# Altium PCB MD2084.PcbDoc (part 1 of 4) (continued)
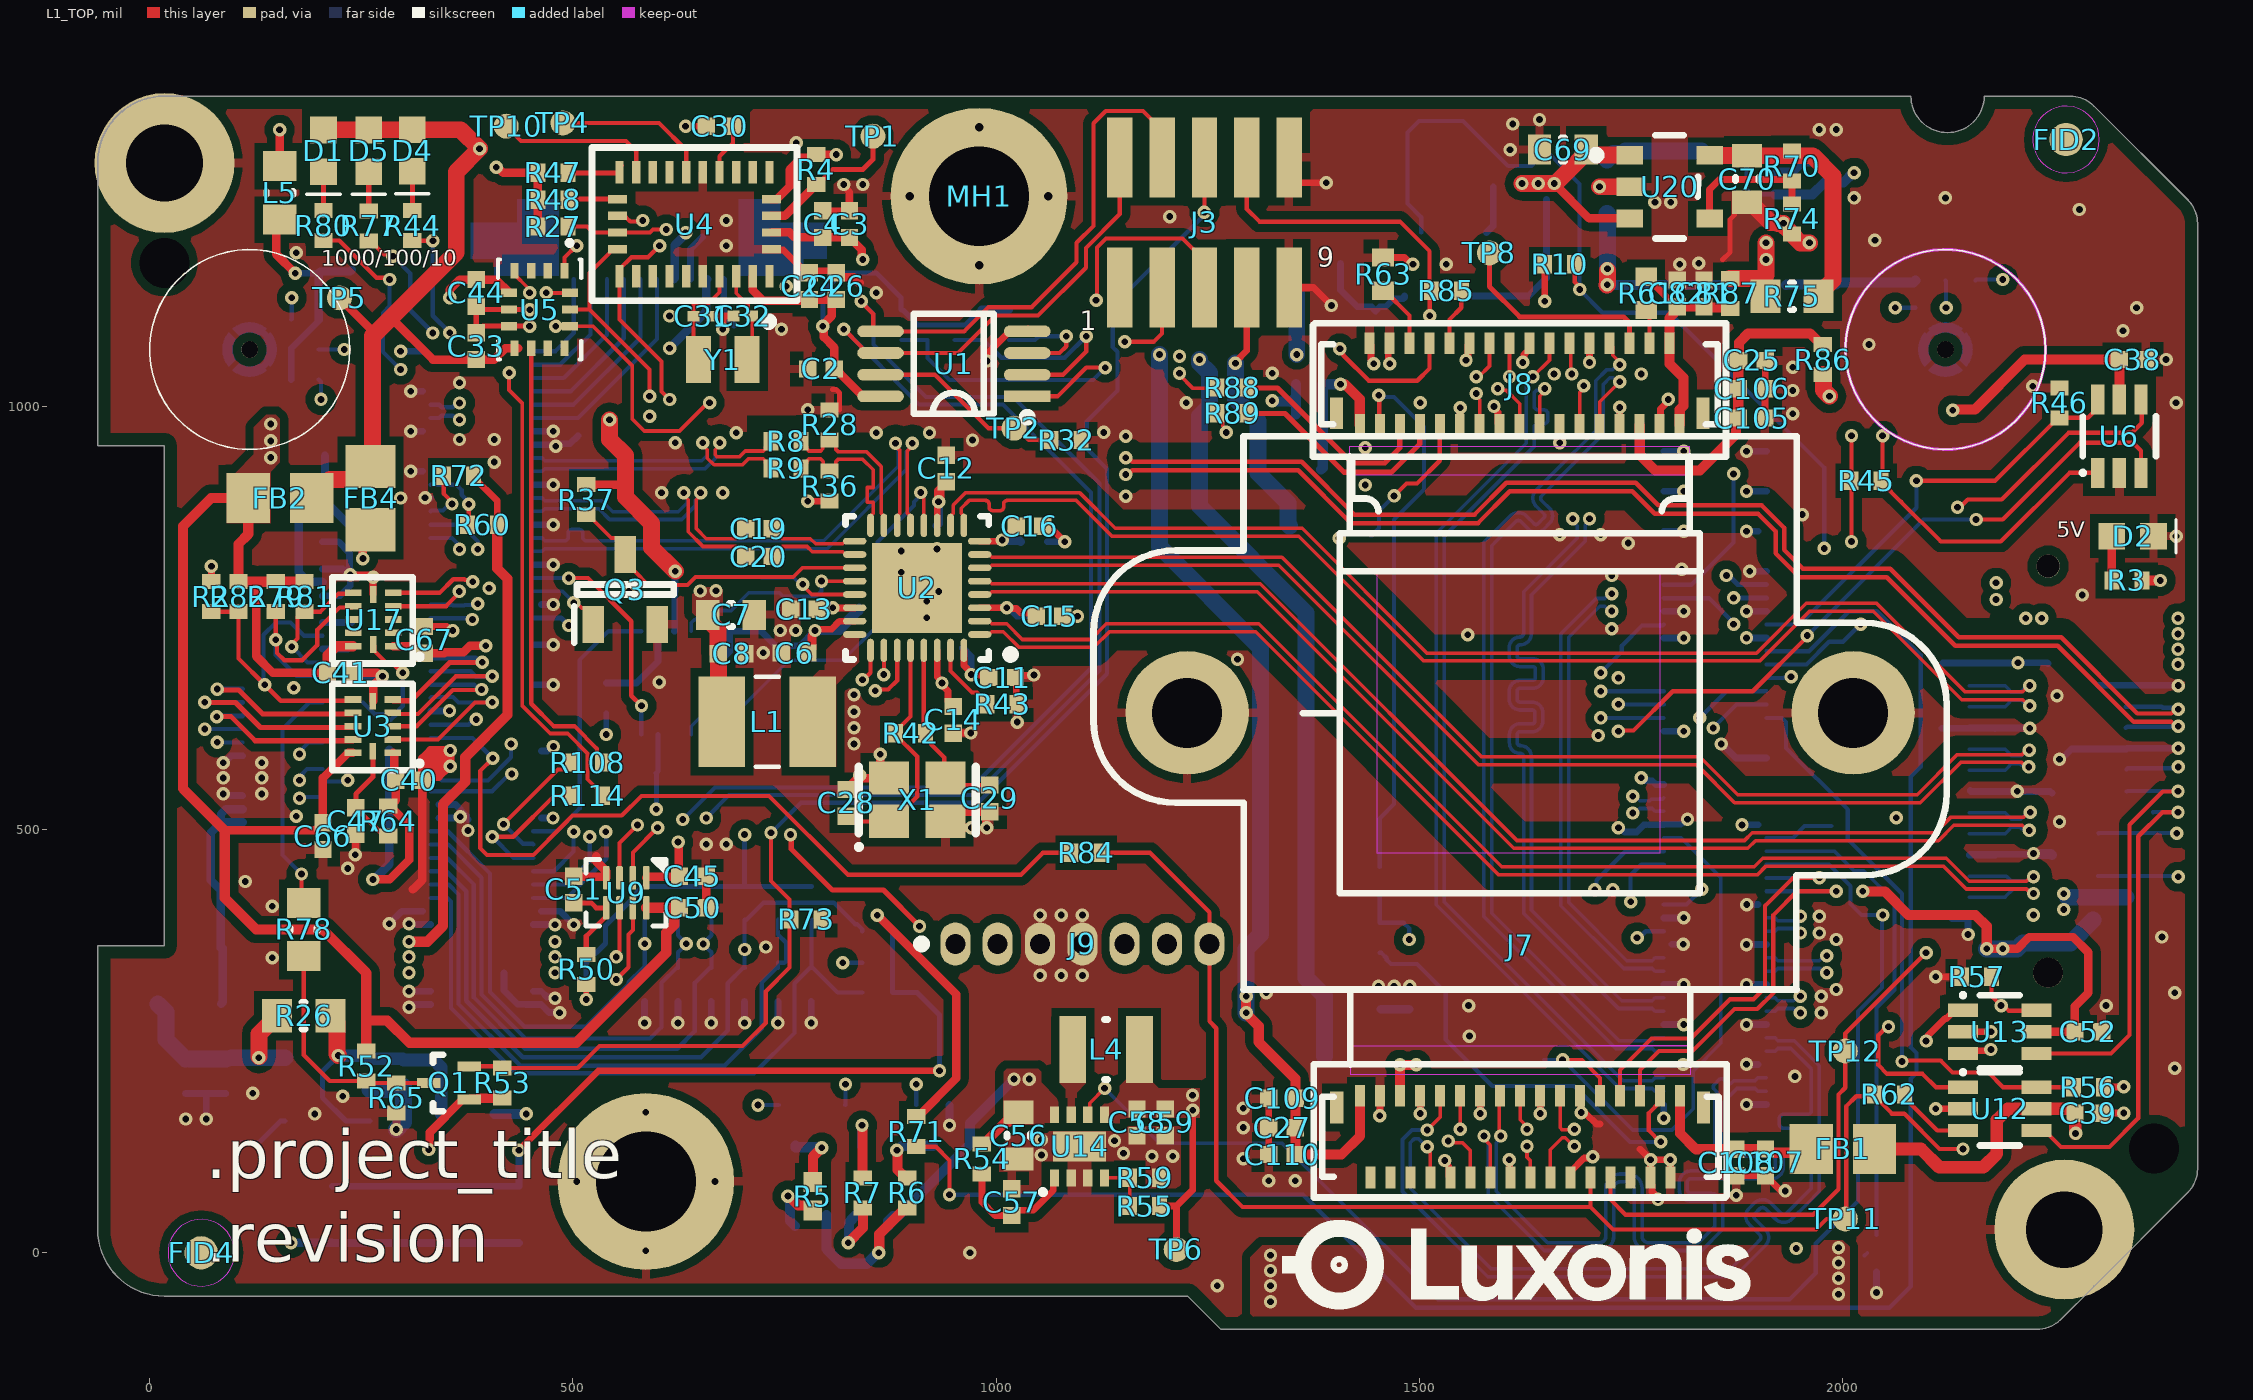
[diagram p0: L1_TOP view]
## Components (designator, comment, footprint, x,y, rotation, side; value= is the part's Value field where it differs from the comment) (continued)
C54 "GRM155R71A104JA01D" CAPC0402(1005)70_L 2035.43,1129.92 r90 bottom value=100nF
C55 "GRM188R61A106ME69D" CAPC0603(1608)100_L 239,1188.62 r270 bottom value=10µF
C56 "10µF" CAPC0603(1608)100_L 1026.61,138.34 r90 top
C57 "10nF" CAPC0402(1005)60_L#1 1018.52,59.82 r270 top
C58 "22µF" CAPC0402(1005)60_L#1 1166.37,154.09 r90 top
C59 "100nF" CAPC0402(1005)70_L 1199.83,154.09 r90 top
C62 "GRM155R71A104JA01D" CAPC0402(1005)70_L 199.76,1172.87 r270 bottom value=100nF
C63 "GRM155R60J106ME15D" CAPC0402(1005)70_N 104.03,409.14 r180 bottom value=10µF
C64 "CL05B104KO5NFNC" CAPC0402(1005)60_N 42.53,211 r270 bottom value=100nF
C65 "C0402C103K5RACTU" CAPC0402(1005)60_L#2 90,130 r0 bottom value=10nF
C66 "CL05B104KO5NFNC" CAPC0402(1005)60_L#1 204.72,492.13 r270 top value=100nF
C67 "CL05B104KO5NFNC" CAPC0402(1005)60_L#1 324.27,724 r270 top value=100nF
C68 "GRM155R61E105KA12D" CAPC0402(1005)70_L 252,665.87 r270 bottom value=1µF
C69 "GRM188R61A106ME69D" CAPC0603(1608)100_L 1669.29,1303.15 r0 top value=10µF
C70 "GRM188R61A106ME69D" CAPC0603(1608)100_L 1886.97,1268.3 r90 top value=10µF
C75 "CL05B104KO5NFNC" CAPC0402(1005)60_N 104,360 r0 bottom value=100nF
C76 "CL05B104KO5NFNC" CAPC0402(1005)60_L#1 222.92,910.69 r180 bottom value=100nF
C79 "GRM155R60J106ME15D" CAPC0402(1005)70_L 1370,990 r0 bottom value=10µF
C80 "CL05B104KO5NFNC" CAPC0402(1005)60_L#1 1370,1026 r0 bottom value=100nF
C81 "GRM155R60J106ME15D" CAPC0402(1005)70_L 1836,1133.32 r270 top value=10µF
C82 "CL05B104KO5NFNC" CAPC0402(1005)60_L#1 1804.54,1133.32 r270 top value=100nF
C83 "GRM155R60J106ME15D" CAPC0402(1005)70_L 1454.03,271.65 r270 bottom value=10µF
C84 "CL05B104KO5NFNC" CAPC0402(1005)60_L#1 1488.19,271.65 r270 bottom value=100nF
C105 "GRM155R60J106ME15D" CAPC0402(1005)70_L 1892.28,986 r180 top value=10µF
C106 "CL05B104KO5NFNC" CAPC0402(1005)60_L#1 1892.28,1020.45 r180 top value=100nF
C107 "GRM155R60J106ME15D" CAPC0402(1005)70_L 1908.77,106.86 r90 top value=10µF
C108 "CL05B104KO5NFNC" CAPC0402(1005)60_L#1 1873.77,106.61 r90 top value=100nF
C109 "GRM155R60J106ME15D" CAPC0402(1005)70_L 1337.65,182.42 r0 top value=10µF
C110 "CL05B104KO5NFNC" CAPC0402(1005)60_L#1 1337.65,116 r0 top value=100nF
D1 "SML-D12M8WT86" SML_D1xx8W 205.32,1301.62 r90 top
D2 "SML-D12U8WT86" SML_D1XX8W 2342.52,846.46 r180 top
D3 "155124M173200" FP-155124M173200-MFG 817.41,12 r180 bottom locked
D4 "SML-D12M8WT86" SML_D1XX8W 310.32,1301.94 r90 top
D5 "SML-D12M8WT86" SML_D1xx8W 258.83,1301.62 r90 top
FB1 "2508056017Y2" 2508056017Y2 2000,122.61 r180 top
FB2 "2508056017Y2" 2508056017Y2 154,891.39 r180 top
FB3 "2508056017Y2" 2508056017Y2 47,294 r0 bottom
FB4 "2508056017Y2" 2508056017Y2 260.96,891.39 r270 top
FB5 "2508056017Y2" 2508056017Y2 1346.46,925.2 r0 bottom
FB6 "2508056017Y2" 2508056017Y2 1362.2,232.28 r0 bottom
FID1 "FIDUCIAL" FIDUCIAL_ROUND_1MM 710,-6 r90 bottom
FID2 "FIDUCIAL" FIDUCIAL_ROUND_1MM 2263.78,1314.96 r90 top
FID3 "FIDUCIAL" FIDUCIAL_ROUND_1MM 2137,-23 r90 bottom
FID4 "FIDUCIAL" FIDUCIAL_ROUND_1MM 61,0 r90 top
J1 "WP7B-S040VA1-R8000_FLIPPED" "WP7B-S040VA1-R8000-Edge mount" 157.01,658 r270 bottom locked
J2 "DF40HC(3.0)-100DS-0.4V_SoM-PRO_A" CON_A_BW2099_SoM_DF40HC-3.0-100DS-0.4V_minpad 1160.16,560.93 r180 bottom locked
J3 "20021121-00010T1LF" 20021121-00010T1LF 1246,1217 r0 top
J4 "DF40HC(3.0)-100DS-0.4V_SoM-PRO_B" CON_B_BW2099_SoM_DF40HC-3.0-100DS-0.4V_minpad 1160.36,560.86 r180 bottom locked
J5 "529010374" CON_529010374 2149.96,396 r90 bottom locked
J6 "SFV10R-2STE1HLF" SFV10R-2STE1HLF 589.92,1169.47 r0 bottom
J7 "IMX462" AC_PY154-IMX462_CON 1618.9,637.8 r0 top locked
J8 "IMX378/IMX582/IMX214/IMX577" PY004 1618.9,637.8 r180 top locked
J9 "SMS-107-01-G-S" SMS-107-01-G-S 1101.81,364.8 r0 top locked
L1 "BRL3225T2R2M" LQH32NH2R2J23L 729.76,627.23 r180 top value=2.2µH
L2 "DFE252012P-1R0M=P2" DFE252012P-1R0M=P2 1488.59,1282.88 r180 bottom value=1µH
L3 "BLM18PG121SN1D" BLM18PG121SN1D_N 1901.57,1143.33 r0 bottom
L4 "1µH" DFE252012P-1R0M=P2 1129.87,240.19 r0 top
L5 "BLM18PG121SN1D" BLM18PG121SN1D_N 153.54,1251.97 r270 top
MH1 "9774030243R" 9774030243R 979.76,1247.99 r180 top
MIC1 "ICS-43434" ICS-43434 146.06,1066.93 r90 bottom
MIC2 "ICS-43434" ICS-43434 2121.26,1094.88 r180 bottom locked
MTG1 "9774030943R" 9774030943R 586.14,84.25 r180 bottom locked
Q1 "RE1C002UNTCL" RE1C002UNTCL 353.58,200.6 r90 top
Q2 "RE1C002UNTCL" RE1C002UNTCL 762.78,150.46 r0 bottom
Q3 "DDTC114YCA-7-F" DDTC114YCA-7-F-Footprint-1 561.93,783.46 r90 top
Q4 "RE1C002UNTCL" RE1C002UNTCL 925.16,150.46 r0 bottom
Q5 "RE1C002UNTCL" RE1C002UNTCL 841.52,150.46 r0 bottom
R1 "ERJ-2RKF1001X" RESC1005X40X25ML05T05 2006,504 r180 bottom value=1k
R2 "RC0402FR-074K7L" RESC0402(1005)_L 73,775 r90 top value=4.7k
R3 "RC0402FR-071KL" RESC0402(1005)_L 2335.52,794.15 r0 top value=1k
R4 "RC0402FR-1310KL" RESC0402(1005)_L 787.4,1279.53 r90 top value=10k
R5 "RC0402FR-07649RL" RESC1005X40X25NL05T10 783.46,66.93 r270 top value=649
R6 "CRCW0402470RFKED" RESC0402(1005)_L 895,70.87 r270 top value=470
R7 "CRCW0402470RFKED" RESC0402(1005)_L 842.52,70.87 r270 top value=470
R8 "RC0402FR-0722RL" RESC0402(1005)_L 751.97,958.42 r0 top value=22
R9 "RC0402FR-0722RL" RESC0402(1005)_L 751.97,926.42 r0 top value=22
R10 "10k" RESC0402(1005)_L 1665.68,1167.72 r180 top
R11 "RC0402FR-1310KL" RESC0402(1005)_N 584.89,412.99 r90 bottom value=10k
R12 "RC0402FR-1310KL" RESC0402(1005)_N 624.26,412.99 r90 bottom value=10k
R13 "RC0402FR-1310KL" RESC0402(1005)_N 663.63,412.99 r90 bottom value=10k
R14 "RC0402FR-1310KL" RESC0402(1005)_N 703,412.99 r90 bottom value=10k
R15 "RC0402FR-1310KL" RESC0402(1005)_N 742.37,412.99 r90 bottom value=10k
R16 "RC0402FR-1310KL" RESC0402(1005)_N 781.74,412.99 r90 bottom value=10k
R17 "CRCW04020000Z0ED" RESC0402(1005)_L 859.59,307.49 r0 bottom value=0
R18 "CRCW04020000Z0ED" RESC0402(1005)_L 859.63,379.83 r0 bottom value=0
R19 "CRCW04020000Z0ED" RESC0402(1005)_L 859.59,342.64 r0 bottom value=0
R20 "RC0402FR-1310KL" RESC0402(1005)_N 584.89,316.84 r90 bottom value=10k
R21 "RC0402FR-1310KL" RESC0402(1005)_N 624.26,316.84 r90 bottom value=10k
R22 "RC0402FR-1310KL" RESC0402(1005)_N 663.63,316.84 r90 bottom value=10k
R23 "RC0402FR-1310KL" RESC0402(1005)_N 703,316.84 r90 bottom value=10k
R24 "RC0402FR-1310KL" RESC0402(1005)_N 742.37,316.84 r90 bottom value=10k
R25 "RC0402FR-1310KL" RESC0402(1005)_N 781.74,316.84 r90 bottom value=10k
R26 "CRCW06030000Z0EA" RESC0603(1608)_N 182,280 r180 top value=0
R27 "RC0402FR-1310KL" RESC0402(1005)_L 476.36,1212.19 r180 top value=10k
R28 "RC0402FR-0749R9L" RESC0402(1005)_L 803.15,978 r270 top value=49.9
R29 "RC0402FR-1310KL" RESC0402(1005)_L 888,1096 r90 bottom value=10k
R30 "RC0402FR-1310KL" RESC0402(1005)_L 983,1096 r90 bottom value=10k
R31 "RC0402FR-1310KL" RESC0402(1005)_L 1015,1096 r90 bottom value=10k
R32 "RC0402FR-071KL" RESC0402(1005)_L 1082.68,960 r180 top value=1k
R33 "RC0402FR-1310KL" RESC0402(1005)_L 919,1096 r270 bottom value=10k
R34 "RC0402FR-1310KL" RESC0402(1005)_L 951,1096 r270 bottom value=10k
R35 "RC0402FR-1310KL" RESC0402(1005)_L 1045.94,1096 r270 bottom value=10k
R36 "RC0402FR-0749R9L" RESC0402(1005)_L 803.15,905.51 r90 top value=49.9
R37 "RC0402FR-1310KL" RESC0402(1005)_L 515.75,889.6 r90 top value=10k
R38 "RC0402FR-1310KL" RESC0402(1005)_L 722.83,779.53 r270 bottom value=10k
R39 "RC0402FR-1310KL" RESC0402(1005)_L 677,660 r90 bottom value=10k
R40 "RC0402FR-1310KL" RESC0402(1005)_L 685,741 r270 bottom value=10k
R41 "RC0402FR-1310KL" RESC0402(1005)_L 539.37,655.35 r90 bottom value=10k
R42 "RC0402FR-071ML" RESC0402(1005)_L 898.82,613.75 r0 top value=1M
R43 "RC0402FR-072K49L" RESC0402(1005)_L 1007,648 r180 top value=2.49k
R44 "CRCW0402470RFKED" RESC0402(1005)_L 310.32,1213.41 r90 top value=470
R45 "0" RESC0402(1005)_L 2027.56,912 r0 top
R46 "RC0402FR-1310KL" RESC0402(1005)_L 2256,1003.94 r270 top value=10k
R47 "RC0402FR-072K2L" RESC0402(1005)_L 476.38,1275.59 r0 top value=2.2k
R48 "RC0402FR-072K2L" RESC0402(1005)_L 476.36,1243.83 r0 top value=2.2k
R49 "RC0402FR-1310KL" RESC0402(1005)_N 1627,228 r180 bottom value=10k
R50 "RC0402FR-1310KL" RESC0402(1005)_L 515.75,334.65 r270 top value=10k
R51 "0" RESC0402(1005)_L 1453,438 r270 bottom
R52 "RC0402FR-1310KL" RESC0402(1005)_L 255.91,220.47 r90 top value=10k
R53 "RC0402FR-1310KL" RESC0402(1005)_L 416.5,200.6 r270 top value=10k
R54 "10k" RESC0402(1005)_L 983,110.78 r90 top
R55 "15k" RESC0402(1005)_L 1175.42,55.19 r0 top
R56 "RC0402FR-1310KL" RESC0402(1005)_L 2290,195.59 r180 top value=10k
R57 "RC0402FR-1310KL" RESC0402(1005)_L 2158,326 r0 top value=10k
R58 "CRCW06030000Z0EA" RESC0603(1608)_N 376,164 r180 bottom value=0
R59 "10k" RESC0402(1005)_L 1175.42,88.49 r180 top
R60 "CRCW04020000Z0ED" RESC0402(1005)_L 393,860.07 r0 top value=0
R61 "RC0402FR-1310KL" RESC0402(1005)_N 1767.68,1133.32 r90 top value=10k
R62 "0" RESC0402(1005)_L 2055,187 r0 top
R63 "RC0402FR-1310KL" RESC0402(1005)_N 1457,1156 r90 top value=10k
R64 "RC0402FR-1310KL" RESC0402(1005)_L 282,509.86 r90 top value=10k
R65 "RC0402FR-1310KL" RESC0402(1005)_L 291.34,182.88 r90 top value=10k
R66 "CRCW06030000Z0EA" RESC0603(1608)_N 1353,1166.07 r270 bottom value=0
R67 "RC0402FR-07300KL" RESC0402(1005)_N 1406.74,1188.39 r90 bottom value=300k
R68 "RC0402FR-0747KL" RESC0402(1005)_L 1448.23,1130.32 r270 bottom value=47k
R69 "CRCW06030000Z0EA" RESC0603(1608)_N 1721.62,1259.2 r270 bottom value=0
R70 "RC0402FR-0724KL" RESC0402(1005)_L 1940,1283.46 r90 top value=24k
R71 "RC0402FR-1310KL" RESC0402(1005)_L 905.47,143 r90 top value=10k
R72 "CRCW04020000Z0ED" RESC0402(1005)_L 365,918 r0 top value=0
R73 "RC0402FR-1310KL" RESC0402(1005)_L 775.59,393.7 r180 top value=10k
R74 "CRCW04029K10FKED" RESC0402(1005)_L 1940,1221.19 r90 top value=9.1k
R75 "CRCW06030000Z0EA" RESC0603(1608)_N 1940,1130 r180 top value=0
R76 "RC0402FR-1310KL" RESC0402(1005)_N 1442,828 r270 bottom value=10k
R77 "CRCW0402470RFKED" RESC0402(1005)_L 258.83,1213.09 r90 top value=470
R78 "CRCW06030000Z0EA" RESC0603(1608)_N 182,381.89 r90 top value=0
R79 "RC0402FR-072K2L" RESC0402(1005)_L 149,775 r90 top value=2.2k
R80 "CRCW0402470RFKED" RESC0402(1005)_L 205.32,1213.41 r90 top value=470
R81 "RC0402FR-072K2L" RESC0402(1005)_L 183,775 r90 top value=2.2k
R82 "RC0402FR-074K7L" RESC0402(1005)_L 105,775 r90 top value=4.7k
R83 "RC0402FR-1310KL" RESC0402(1005)_L 283,612 r270 bottom value=10k
R84 "CRCW04020000Z0ED" RESC0402(1005)_L 1106.3,472.44 r0 top value=0
R85 "0" RESC0402(1005)_L 1531.64,1136.32 r180 top
R86 "0" RESC0402(1005)_L 1976.38,1055.12 r90 top
R87 "0" RESC0402(1005)_L 1867,1133.32 r270 top
R88 "0" RESC0402(1005)_L 1278.6,1022 r180 top
R89 "0" RESC0402(1005)_L 1278.6,991.5 r180 top
R90 "0" RESC0402(1005)_L 1453,372 r90 bottom
R108 "CRCW04020000Z0ED" RESC0402(1005)_L 517.26,579.08 r180 top value=0
R114 "CRCW04020000Z0ED" RESC0402(1005)_L 517.26,539.66 r180 top value=0
SW1 "434331045822" 434331045822 1124,35 r180 bottom locked
TP1 "TEST_POINT" TP075_150_NS 854.33,1318.9 r0 top
TP2 "TEST_POINT" TP075_150_NS 1021,974 r270 top
TP3 "TEST_POINT" TP075_150_NS 1587.01,1259.26 r180 bottom
TP4 "TEST_POINT" TP075_150_NS 488.19,1334.65 r0 top
TP5 "TEST_POINT" TP075_150_NS 224.41,1128 r90 top
TP6 "TEST_POINT" TP075_150_NS 1212.6,3.94 r90 top
TP7 "TEST_POINT" TP075_150_NS 1458,9 r90 bottom
TP8 "TEST_POINT" TP075_150_NS 1582.71,1181.1 r270 top
TP9 "TEST_POINT" TP075_150_NS 1346.46,858.27 r180 bottom
TP10 "TEST_POINT" TP075_150_NS 421.26,1330.71 r0 top
TP11 "TEST_POINT" TP075_150_NS 2002.98,40 r270 top
TP12 "TEST_POINT" TP075_150_NS 2002.98,238.31 r90 top
TP13 "TEST_POINT" TP075_150_NS 1650,1301.41 r270 bottom
TP-SH1 "TEST_SHORT" TP_short 2039,-1 r180 bottom
U1 "24AA32A-I/MS" 24AA32A-I/MS 950,1050 r180 top
U2 "RTL8111HS" RTL8111Hx-CG 906.69,785.46 r180 top
U3 "NTS0104GU12,115" QFN40P170X200X50-12N 263.78,622.05 r180 top
U4 "BNO086" BNO086 643.7,1215.06 r270 top
U5 "BMI270" XDCR_BMI270 460.63,1114.17 r270 top
U6 "SN74LVC1G3157DCKR" DCK6_65 2326.77,964.57 r90 top
U7 "TXS0102DCUR" TXS0102DCUR 610.24,673.23 r90 bottom
U8 "TLV62080DSG" TLV62080DSG#1 1511.96,1167.72 r90 bottom
U9 "TXS0102DQMR" DQM 562.99,425.2 r270 top
U10 "TLV70018DCK" TLV70018DCK 1876.66,1275.82 r270 bottom
U12 "SN74LVC1G3157DCKR" DCK6_65 2185.31,170 r0 top
U13 "SN74LVC1G3157DCKR" DCK6_65 2185.31,261 r0 top
U14 "TLV62080DSG" TLV62080DSG#2 1098.46,125.8 r90 top
U16 "LP3985IM5-4.7" DBV0005A_L 210,193 r180 bottom
U17 "NTS0104GU12,115" QFN40P170X200X50-12N 264,748.03 r180 top
U20 "AP7366-W5-7" FP-SOT25-MFG 1795.43,1259.2 r0 top
X1 "ECS-250-18-36B-CKY-TR" ECS-250-18-36B-CKY-TR 906.69,535.15 r0 top
Y1 "ABS06-127-32.768KHZ-T" ABS06-127-32.768KHZ-T 677.17,1055.12 r180 top

## Footprints (in the part's own frame and the unit in brackets; to place one, negate y for a bottom-side part, rotate by r counter-clockwise, add the part's x,y. Pads: shape width x height; smd on the part's side, far side on the other; paste and mask are expansions set on the pad)
24AA32A-I/MS [mm] "Body: 3 x 3mm, pitch: 0.65mm"
  rect 1.4x0.35 smd mask+0.05: 1(-2.2,0.975)
  oval 1.4x0.35 smd mask+0.05: 2(-2.2,0.325) 3(-2.2,-0.325) 4(-2.2,-0.975) 5(2.2,-0.975) 6(2.2,-0.325) 7(2.2,0.325) 8(2.2,0.975)
  silkscreen extent -2.33,-1.5 1.2,1.72, body extent -2.45,-1.5 2.45,1.5, height 1.15
20021121-00010T1LF [mm] "Connector Header Surface Mount 10 position 0.050\" (1.27mm)   Contact length: 0.120\" (3.05mm)"
  rect 0.76x2.4 smd: 1(-2.54,-1.95) 2(-2.54,1.95) 3(-1.27,-1.95) 4(-1.27,1.95) 5(0,-1.95) 6(0,1.95) 7(1.27,-1.95) 8(1.27,1.95) 9(2.54,-1.95) 10(2.54,1.95)
  body extent -3.18,-2.75 3.17,2.75, height 4.55
2508056017Y2 [mm] "2508056017Y2 Chip Inductor, 2-Leads, Body 2.00x1.25mm"
  rect 1.3x1.5 smd: 1(-0.95,0) 2(0.95,0)
  body extent -1.1,-0.72 1.1,0.73, height 1.45
9774030243R [mm] "STANDOFF_M2X0.4_3MM with no pad on bottom of PCB"
  round 5.3 / inner round 2.7 / far side round 2.7 hole 3 mask+0.05: 1(0,0)
  body extent -2.17,-2.17 2.18,2.17, height 3.05
9774030943R [mm] "STANDOFF_2.25mmX0.4_3MM with pad on bottom of PCB"
  round 5.3 / inner round 2.7 / far side round 5.3 hole 3 mask+0.05: 1(0,0)
  body extent -2.17,-2.16 2.18,2.16, height 3.05
434331045822 [mm] "4.7*3.5mm side push type,SMD, height 1.65mm, black actuator, 220gf, T&R"
  rect 1.2x1 smd: 1(2.8,0.85) 2(2.8,-0.85) 3(-2.8,0.85) 4(-2.8,-0.85)
  silkscreen extent -2.35,-2.75 2.35,1.75, body extent -3.2,-2.75 3.2,1.75, height 1.65
ABS06-127-32.768KHZ-T [mm] "2-SMD 0.079\" L x 0.047\" W (2.00mm x 1.20mm)"
  rect 0.75x1.4 smd: 1(-0.73,0) 2(0.73,0)
  body extent -1,-0.6 1,0.6, height 0.65
AC_PY154-IMX462_CON [mm] "connector: FH26W-33S-0.3SHW"
  rect 0.4x0.95 smd mask+0.05: 0(-5.5,-11.843) 0(5.5,-11.843)
  rect 0.3x0.65 smd mask+0.05: 1(4.8,-11.493) 2(4.507,-13.943) 3(4.2,-11.493) 4(3.907,-13.943) 5(3.6,-11.493) 6(3.307,-13.943) 7(3,-11.493) 8(2.707,-13.943) 9(2.4,-11.493) 10(2.107,-13.943) 11(1.8,-11.493) 12(1.507,-13.943) 13(1.2,-11.493) 14(0.907,-13.943) 15(0.6,-11.493) 16(0.307,-13.943) 17(0,-11.493) 18(-0.293,-13.943) 19(-0.6,-11.493) 20(-0.893,-13.943) 21(-1.2,-11.493) 22(-1.493,-13.943) 23(-1.8,-11.493) 24(-2.093,-13.943) 25(-2.4,-11.493) 26(-2.693,-13.943) 27(-3,-11.493) 28(-3.293,-13.943) 29(-3.6,-11.493) 30(-3.893,-13.943) 31(-4.2,-11.493) 32(-4.493,-13.943) 33(-4.8,-11.493)
  round 3.7 hole 2.1: 34(-9.99,0) 35(9.99,0)
  L1_TOP keep-out region: -5.1,-10.84 5.119,-10.84 5.119,-9.997 -5.1,-9.997
  L1_TOP keep-out region: -8.3,4.875 -8.3,8.3 8.301,8.3 8.301,2.7 10.26,2.7 11.232,2.507 12.056,1.956 12.607,1.132 12.8,0.16 12.8,0.16 12.8,-2.432 12.613,-3.374 12.079,-4.173 11.28,-4.707 10.338,-4.894 10.338,-4.894 8.286,-4.894 8.286,-8.274 5.1,-8.274 5.063,-9.979 -5.103,-10.022 -5.078,-8.274 -8.295,-8.274 -8.295,-2.7 -10.333,-2.7 -11.277,-2.512 -12.077,-1.977 -12.612,-1.177 -12.8,-0.233 -12.8,-0.233 -12.8,2.456 -12.616,3.381 -12.091,4.166 -11.307,4.69 -10.381,4.874 -10.381,4.875
  silkscreen extent -12.8,-14.54 12.8,8.3, body extent -12.75,-14.29 12.75,9.27, height 26.91
BLM18PG121SN1D_N [mm] "Chip Inductor, 2-Leads, Body 1.60x0.80mm, IPC Medium Density"
  rect 0.9x1 smd: 1(-0.8,0) 2(0.8,0)
  silkscreen extent -0.05,-0.4 0.05,0.4, body extent -0.87,-0.48 0.88,0.48, height 1
BNO086 [mm] "28-TFLGA Module (5.2x3.8)"
  rect 0.675x0.25 smd paste+0 mask+0: 1(1.562,2.25) 6(-1.562,2.25) 7(-1.562,1.75) 8(-1.562,1.25) 9(-1.562,0.75) 10(-1.562,0.25) 11(-1.562,-0.25) 12(-1.562,-0.75) 13(-1.562,-1.25) 14(-1.562,-1.75) 15(-1.562,-2.25) 20(1.562,-2.25) 21(1.562,-1.75) 22(1.562,-1.25) 23(1.562,-0.75) 24(1.562,-0.25) 25(1.562,0.25) 26(1.562,0.75) 27(1.562,1.25) 28(1.562,1.75)
  rect 0.25x0.575 smd paste+0 mask+0: 2(0.75,2.313) 3(0.25,2.312) 4(-0.25,2.312) 5(-0.75,2.313) 16(-0.75,-2.312) 17(-0.25,-2.312) 18(0.25,-2.312) 19(0.75,-2.312)
  silkscreen extent -2.3,-3.07 3.05,3.08, body extent -2.45,-3.15 2.45,3.15, height 0.25
CAPC0201(0603)33_L [mm] "Chip Capacitor, Body 0.6x0.3mm, Height 0.33mm, IPC High Density"
  rect 0.36x0.32 smd: 1(-0.28,0) 2(0.28,0)
  body extent -0.32,-0.17 0.32,0.16, height 0.33
CAPC0402(1005)60_L#1 [mm] "Chip Capacitor, Body 1.0x0.5mm, Height 0.6mm, IPC High Density"
  rect 0.52x0.52 smd: 1(-0.4,0) 2(0.4,0)
  body extent -0.55,-0.3 0.55,0.3, height 0.6
CAPC0402(1005)60_L#2 [mm] "Chip Capacitor, Body 1.0x0.5mm, Height 0.6mm, IPC High Density"
  rrect25% 0.5x0.55 smd: 1(-0.45,0) 2(0.45,0)
  silkscreen extent 0,-0.2 0,0.2, body extent -0.5,-0.25 0.5,0.25, height 0.6
CAPC0402(1005)60_N [mm] "Chip Capacitor, Body 1.0x0.5mm, Height 0.6mm, IPC Medium Density"
  rect 0.62x0.62 smd: 1(-0.45,0) 2(0.45,0)
  body extent -0.55,-0.3 0.55,0.3, height 0.6
CAPC0402(1005)70_L [mm] "Chip Capacitor, Body 1.0x0.5mm, Height 0.7mm, IPC High Density"
  rect 0.52x0.52 smd: 1(-0.4,0) 2(0.4,0)
  body extent -0.55,-0.3 0.55,0.3, height 0.7
CAPC0402(1005)70_N [mm] "Chip Capacitor, Body 1.0x0.5mm, Height 0.7mm, IPC Medium Density"
  rect 0.62x0.62 smd: 1(-0.45,0) 2(0.45,0)
  body extent -0.55,-0.3 0.55,0.3, height 0.7
CAPC0603(1608)100_L [mm] "Chip Capacitor, Body 1.6x0.8mm, Height 1.0mm, IPC High Density"
  rect 0.7x0.9 smd: 1(-0.7,0) 2(0.7,0)
  silkscreen extent -0.05,-0.35 0.05,0.35, body extent -0.88,-0.47 0.88,0.48, height 1
CON_529010374 [mm]
  rect 0.35x2.5 smd paste+0 mask+0.076: 1(0,0) 2(0.635,0) 3(1.27,0) 4(1.905,0) 5(2.54,0) 6(3.175,0) 7(3.81,0) 8(4.445,0) 9(5.08,0) 10(5.715,0) 11(6.35,0) 12(6.985,0) 13(7.62,0) 14(8.255,0) 15(8.89,0) 16(8.89,4.7) 17(8.255,4.7) 18(7.62,4.7) 19(6.985,4.7) 20(6.35,4.7) 21(5.715,4.7) 22(5.08,4.7) 23(4.445,4.7) 24(3.81,4.7) 25(3.175,4.7) 26(2.54,4.7) 27(1.905,4.7) 28(1.27,4.7) 29(0.635,4.7) 30(0,4.7)
  round 0.9 hole 0.9 unplated mask+0.076: C1(-1.655,2.35)
  round 0.7 hole 0.7 unplated mask+0.076: C2(10.545,2.35)
  rect 2.5x2 smd paste+0 mask+0.076: P1(-3.705,2.35) P2(12.595,2.35)
  silkscreen extent -5.78,-0.85 13.14,5.55, body extent -4.26,-0.85 13.15,5.55, height 10.01
CON_A_BW2099_SoM_DF40HC-3.0-100DS-0.4V_minpad [mm] "3.0MM MATED HEIGHT CONN HDR 100POS 0.4MM SMD GOLD"
  rect 0.7x0.18 smd: 1(-19.04,-9.8) 2(-15.96,-9.8) 3(-19.04,-9.4) 4(-15.96,-9.4) 5(-19.04,-9) 6(-15.96,-9) 7(-19.04,-8.6) 8(-15.96,-8.6) 9(-19.04,-8.2) 10(-15.96,-8.2) 11(-19.04,-7.8) 12(-15.96,-7.8) 13(-19.04,-7.4) 14(-15.96,-7.4) 15(-19.04,-7) 16(-15.96,-7) 17(-19.04,-6.6) 18(-15.96,-6.6) 19(-19.04,-6.2) 20(-15.96,-6.2) 21(-19.04,-5.8) 22(-15.96,-5.8) 23(-19.04,-5.4) 24(-15.96,-5.4) 25(-19.04,-5) 26(-15.96,-5) 27(-19.04,-4.6) 28(-15.96,-4.6) 29(-19.04,-4.2) 30(-15.96,-4.2) 31(-19.04,-3.8) 32(-15.96,-3.8) 33(-19.04,-3.4) 34(-15.96,-3.4) 35(-19.04,-3) 36(-15.96,-3) 37(-19.04,-2.6) 38(-15.96,-2.6) 39(-19.04,-2.2) 40(-15.96,-2.2) 41(-19.04,-1.8) 42(-15.96,-1.8) 43(-19.04,-1.4) 44(-15.96,-1.4) 45(-19.04,-1) 46(-15.96,-1) 47(-19.04,-0.6) 48(-15.96,-0.6) 49(-19.04,-0.2) 50(-15.96,-0.2) 51(-19.04,0.2) 52(-15.96,0.2) 53(-19.04,0.6) 54(-15.96,0.6) 55(-19.04,1) 56(-15.96,1) 57(-19.04,1.4) 58(-15.96,1.4) 59(-19.04,1.8) 60(-15.96,1.8) 61(-19.04,2.2) 62(-15.96,2.2) 63(-19.04,2.6) 64(-15.96,2.6) 65(-19.04,3) 66(-15.96,3) 67(-19.04,3.4) 68(-15.96,3.4) 69(-19.04,3.8) 70(-15.96,3.8) 71(-19.04,4.2) 72(-15.96,4.2) 73(-19.04,4.6) 74(-15.96,4.6) 75(-19.04,5) 76(-15.96,5) 77(-19.04,5.4) 78(-15.96,5.4) 79(-19.04,5.8) 80(-15.96,5.8) 81(-19.04,6.2) 82(-15.96,6.2) 83(-19.04,6.6) 84(-15.96,6.6) 85(-19.04,7) 86(-15.96,7) 87(-19.04,7.4) 88(-15.96,7.4) 89(-19.04,7.8) 90(-15.96,7.8) 91(-19.04,8.2) 92(-15.96,8.2) 93(-19.04,8.6) 94(-15.96,8.6) 95(-19.04,9) 96(-15.96,9) 97(-19.04,9.4) 98(-15.96,9.4) 99(-19.04,9.8) 100(-15.96,9.8)
  silkscreen extent -22.53,-15 -16.85,15.03, body extent -19.19,-11.3 -15.81,11.3, height 2.85
CON_B_BW2099_SoM_DF40HC-3.0-100DS-0.4V_minpad [mm] "3.0MM MATED HEIGHT CONN HDR 100POS 0.4MM SMD GOLD"
  rect 0.7x0.18 smd: 1(17.96,-6.8) 2(21.04,-6.8) 3(17.96,-6.4) 4(21.04,-6.4) 5(17.96,-6) 6(21.04,-6) 7(17.96,-5.6) 8(21.04,-5.6) 9(17.96,-5.2) 10(21.04,-5.2) 11(17.96,-4.8) 12(21.04,-4.8) 13(17.96,-4.4) 14(21.04,-4.4) 15(17.96,-4) 16(21.04,-4) 17(17.96,-3.6) 18(21.04,-3.6) 19(17.96,-3.2) 20(21.04,-3.2) 21(17.96,-2.8) 22(21.04,-2.8) 23(17.96,-2.4) 24(21.04,-2.4) 25(17.96,-2) 26(21.04,-2) 27(17.96,-1.6) 28(21.04,-1.6) 29(17.96,-1.2) 30(21.04,-1.2) 31(17.96,-0.8) 32(21.04,-0.8) 33(17.96,-0.4) 34(21.04,-0.4) 35(17.96,0) 36(21.04,0) 37(17.96,0.4) 38(21.04,0.4) 39(17.96,0.8) 40(21.04,0.8) 41(17.96,1.2) 42(21.04,1.2) 43(17.96,1.6) 44(21.04,1.6) 45(17.96,2) 46(21.04,2) 47(17.96,2.4) 48(21.04,2.4) 49(17.96,2.8) 50(21.04,2.8) 51(17.96,3.2) 52(21.04,3.2) 53(17.96,3.6) 54(21.04,3.6) 55(17.96,4) 56(21.04,4) 57(17.96,4.4) 58(21.04,4.4) 59(17.96,4.8) 60(21.04,4.8) 61(17.96,5.2) 62(21.04,5.2) 63(17.96,5.6) 64(21.04,5.6) 65(17.96,6) 66(21.04,6) 67(17.96,6.4) 68(21.04,6.4) 69(17.96,6.8) 70(21.04,6.8) 71(17.96,7.2) 72(21.04,7.2) 73(17.96,7.6) 74(21.04,7.6) 75(17.96,8) 76(21.04,8) 77(17.96,8.4) 78(21.04,8.4) 79(17.96,8.8) 80(21.04,8.8) 81(17.96,9.2) 82(21.04,9.2) 83(17.96,9.6) 84(21.04,9.6) 85(17.96,10) 86(21.04,10) 87(17.96,10.4) 88(21.04,10.4) 89(17.96,10.8) 90(21.04,10.8) 91(17.96,11.2) 92(21.04,11.2) 93(17.96,11.6) 94(21.04,11.6) 95(17.96,12) 96(21.04,12) 97(17.96,12.4) 98(21.04,12.4) 99(17.96,12.8) 100(21.04,12.8)
  silkscreen extent 16.75,-15.04 22.53,15, body extent 17.81,-8.3 21.19,14.3, height 2.85
DBV0005A_L [mm] "SOT23, 5-Leads, Body 3.05x1.75mm, Pitch 0.95mm, IPC High Density"
  rrect18% 0.8x0.55 smd: 1(-1.275,0.95) 2(-1.275,0) 3(-1.275,-0.95) 4(1.275,-0.95) 5(1.275,0.95)
  silkscreen extent -1.4,-1.55 0.5,1.9, body extent -1.42,-1.46 1.42,1.46, height 1.08
DCK6_65 [mm]
  rect 0.9x0.4 smd: 1(-1.1,0.65) 2(-1.1,0) 3(-1.1,-0.65) 4(1.1,-0.65) 5(1.1,0) 6(1.1,0.65)
  silkscreen extent -1.13,-1.1 0.6,1.13, body extent -1.2,-1.1 1.2,1.1, height 1.1
DDTC114YCA-7-F-Footprint-1 [mm]
  rect 1.1x0.65 smd: 1(-1.05,0.96) 2(-1.05,-0.96) 3(1.05,0)
  silkscreen extent -1.6,-1.45 0.15,1.54, body extent -1.2,-1.45 1.2,1.45, height 1.1
DFE252012P-1R0M=P2 [mm] "Chip Inductor, 2-Leads, Body 2.40x2.00mm, IPC High Density"
  rect 0.8x2 smd: 1(-1,0) 2(1,0)
  silkscreen extent -0.05,-0.9 0.05,0.9, body extent -1.25,-1.1 1.25,1.1, height 1.2
DQM [mm] "R-PX2SON-N8"
  rrect36% 0.7x0.2 smd paste+0 mask+0.05: 1(-0.45,0.6) 2(-0.45,0.2) 3(-0.45,-0.2) 4(-0.45,-0.6) 5(0.45,-0.6) 6(0.45,-0.2) 7(0.45,0.2) 8(0.45,0.6)
  silkscreen extent -1,-1.2 1,1.2, body extent -0.63,-0.92 0.63,0.92, height 0.35
ECS-250-18-36B-CKY-TR [mm] "2.5x2.0mm ceramic SMD"
  rect 1.2x1 smd: 1(-0.85,-0.65) 2(0.85,-0.65) 3(0.85,0.65) 4(-0.85,0.65)
  silkscreen extent -1.77,-1.44 1.75,0.99, body extent -1.3,-1.05 1.3,1.05, height 0.6
FIDUCIAL_ROUND_1MM [mm] "Round, 1mm dia"
  round 1 smd paste-1 mask+0.5: 1(0,0)
  L1_TOP keep-out circle w0.025: c0,0 r1
FP-155124M173200-MFG [mm]
  rect 0.6x0.9 smd paste+0 mask+0: 1(-1.4,0.5) 4(1.4,0.5)
  rect 0.6x0.55 smd paste+0 mask+0: 2(-0.45,0.825) 3(0.45,0.825)
  silkscreen extent -2.38,-0.8 1.65,0.62, body extent -1.6,-0.78 1.6,0.81, height 1.1
FP-SOT25-MFG [mm]
  rect 0.8x0.55 smd paste+0 mask+0: 1(-1.2,0.95) 2(-1.2,0) 3(-1.2,-0.95) 4(1.2,-0.95) 5(1.2,0.95)
  silkscreen extent -2.32,-1.55 0.85,1.55, body extent -1.7,-1.65 1.7,1.65, height 0.25
ICS-43434 [mm]
  rect 0.6x0.522 smd mask+0.05: 1(-0.9,1.364) 2(-0.9,0.542) 4(0.9,0.542) 5(0.9,1.364) 6(0,1.364)
  oval 0.2x0.5 smd paste-1 mask+0: 3(-0.663,-0.71) 3(0.663,-0.71)
  oval 0.2x0.125 smd rot 45 paste-1 mask+0: 3(-0.555,-1.071) 3(-0.361,-1.265) 3(0.361,-0.155) 3(0.555,-0.349)
  oval 0.2x0.125 smd rot 135 paste-1 mask+0: 3(-0.555,-0.349) 3(-0.361,-0.155) 3(0.361,-1.265) 3(0.555,-1.071)
  oval 0.5x0.2 smd paste-1 mask+0: 3(0,-1.372) 3(0,-0.048)
  round 0.5 hole 0.5 unplated: ""(0,-0.71)
  L1_TOP region: 0.037,0.102 0.075,0.099 0.112,0.095 0.149,0.089 0.186,0.081 0.222,0.071 0.258,0.06 0.293,0.047 0.328,0.033 0.362,0.017 0.395,-0.001 0.427,-0.02 0.458,-0.041 0.489,-0.063 0.518,-0.086 0.306,-0.298 0.284,-0.283 0.266,-0.271 0.247,-0.26 0.228,-0.25 0.208,-0.241 0.188,-0.233 0.167,-0.225 0.146,-0.219 0.125,-0.213 0.104,-0.208 0.082,-0.204 0.061,-0.201 0.039,-0.199 0.017,-0.198 -0.004,-0.197 -0.026,-0.198 -0.048,-0.2 -0.07,-0.202 -0.091,-0.205 -0.113,-0.21 -0.134,-0.215 -0.155,-0.221 -0.176,-0.228 -0.196,-0.236 -0.216,-0.245 -0.236,-0.254 -0.255,-0.265 -0.273,-0.276 -0.292,-0.288 -0.306,-0.298 -0.518,-0.086 -0.489,-0.063 -0.458,-0.041 -0.427,-0.02 -0.395,-0.001 -0.362,0.017 -0.328,0.033 -0.293,0.047 -0.258,0.06 -0.222,0.071 -0.186,0.081 -0.149,0.089 -0.112,0.095 -0.075,0.099 -0.037,0.102 0,0.103
  L1_TOP region: 0.647,-0.221 0.669,-0.252 0.69,-0.283 0.709,-0.315 0.727,-0.348 0.743,-0.382 0.757,-0.417 0.77,-0.452 0.781,-0.488 0.791,-0.524 0.799,-0.561 0.805,-0.598 0.809,-0.635 0.812,-0.673 0.813,-0.71 0.812,-0.747 0.809,-0.785 0.805,-0.822 0.799,-0.859 0.791,-0.896 0.781,-0.932 0.77,-0.968 0.757,-1.003 0.743,-1.038 0.727,-1.072 0.709,-1.105 0.69,-1.137 0.669,-1.168 0.647,-1.199 0.624,-1.228 0.412,-1.016 0.422,-1.002 0.434,-0.983 0.445,-0.965 0.456,-0.946 0.465,-0.926 0.474,-0.906 0.482,-0.886 0.489,-0.865 0.495,-0.844 0.5,-0.823 0.505,-0.801 0.508,-0.78 0.51,-0.758 0.512,-0.736 0.513,-0.714 0.512,-0.693 0.511,-0.671 0.509,-0.649 0.506,-0.628 0.502,-0.606 0.497,-0.585 0.491,-0.564 0.485,-0.543 0.477,-0.522 0.469,-0.502 0.46,-0.482 0.45,-0.463 0.439,-0.444 0.427,-0.426 0.412,-0.404 0.624,-0.192
  L1_TOP region: 0.518,-1.334 0.489,-1.357 0.458,-1.379 0.427,-1.4 0.395,-1.419 0.362,-1.437 0.328,-1.453 0.293,-1.467 0.258,-1.48 0.222,-1.491 0.186,-1.501 0.149,-1.509 0.112,-1.515 0.075,-1.519 0.037,-1.522 0,-1.523 -0.037,-1.522 -0.075,-1.519 -0.112,-1.515 -0.149,-1.509 -0.186,-1.501 -0.222,-1.491 -0.258,-1.48 -0.293,-1.467 -0.328,-1.453 -0.362,-1.437 -0.395,-1.419 -0.427,-1.4 -0.458,-1.379 -0.489,-1.357 -0.518,-1.334 -0.306,-1.122 -0.292,-1.132 -0.273,-1.144 -0.255,-1.155 -0.236,-1.166 -0.216,-1.175 -0.196,-1.184 -0.176,-1.192 -0.155,-1.199 -0.134,-1.205 -0.113,-1.21 -0.091,-1.215 -0.07,-1.218 -0.048,-1.22 -0.026,-1.222 -0.004,-1.223 0.017,-1.222 0.039,-1.221 0.061,-1.219 0.082,-1.216 0.104,-1.212 0.125,-1.207 0.146,-1.201 0.167,-1.195 0.188,-1.187 0.208,-1.179 0.228,-1.17 0.247,-1.16 0.266,-1.149 0.284,-1.137 0.306,-1.122
  L1_TOP region: -0.412,-0.404 -0.427,-0.425 -0.438,-0.444 -0.449,-0.462 -0.459,-0.481 -0.468,-0.501 -0.477,-0.521 -0.484,-0.541 -0.491,-0.561 -0.497,-0.582 -0.501,-0.603 -0.506,-0.624 -0.509,-0.646 -0.511,-0.667 -0.512,-0.688 -0.513,-0.71 -0.512,-0.732 -0.511,-0.753 -0.509,-0.774 -0.506,-0.796 -0.501,-0.817 -0.497,-0.838 -0.491,-0.859 -0.484,-0.879 -0.477,-0.899 -0.468,-0.919 -0.459,-0.939 -0.449,-0.958 -0.438,-0.976 -0.427,-0.995 -0.412,-1.016 -0.624,-1.228 -0.647,-1.199 -0.669,-1.168 -0.69,-1.137 -0.709,-1.105 -0.727,-1.072 -0.743,-1.038 -0.757,-1.003 -0.77,-0.968 -0.781,-0.932 -0.791,-0.896 -0.799,-0.859 -0.805,-0.822 -0.809,-0.785 -0.812,-0.747 -0.813,-0.71 -0.812,-0.673 -0.809,-0.635 -0.805,-0.598 -0.799,-0.561 -0.791,-0.524 -0.781,-0.488 -0.77,-0.452 -0.757,-0.417 -0.743,-0.382 -0.727,-0.348 -0.709,-0.315 -0.69,-0.283 -0.669,-0.252 -0.647,-0.221 -0.624,-0.192
  L1_TOP lines w0.125: 0,-1.372 0,-1.372 ; 0,-1.372 0,-1.372
  silkscreen extent -1.52,-1.94 2.1,1.94, body extent -1.33,-1.75 1.32,1.75, height 0.98
LQH32NH2R2J23L [mm] "inductor 3.20mm x 2.50mm x 2.2mm"
  rect 1.39x2.72 smd: 1(-1.365,0) 2(1.365,0)
  silkscreen extent -0.35,-1.35 0.35,1.35, body extent -1.6,-1.25 1.6,1.25, height 1.7
PY004 [mm] "connector: FH26W-33S-0.3SHW"
  rect 0.4x0.95 smd mask+0.05: 0(-5.488,-8.984) 0(5.512,-8.984)
  rect 0.3x0.65 smd mask+0.05: 1(4.812,-8.634) 2(4.519,-11.084) 3(4.212,-8.634) 4(3.919,-11.084) 5(3.612,-8.634) 6(3.319,-11.084) 7(3.012,-8.634) 8(2.719,-11.084) 9(2.412,-8.634) 10(2.119,-11.084) 11(1.812,-8.634) 12(1.519,-11.084) 13(1.212,-8.634) 14(0.919,-11.084) 15(0.612,-8.634) 16(0.319,-11.084) 17(0.012,-8.634) 18(-0.281,-11.084) 19(-0.588,-8.634) 20(-0.881,-11.084) 21(-1.188,-8.634) 22(-1.481,-11.084) 23(-1.788,-8.634) 24(-2.081,-11.084) 25(-2.388,-8.634) 26(-2.681,-11.084) 27(-2.988,-8.634) 28(-3.281,-11.084) 29(-3.588,-8.634) 30(-3.881,-11.084) 31(-4.188,-8.634) 32(-4.481,-11.084) 33(-4.788,-8.634)
  L1_TOP keep-out region: -5.088,-7.981 5.131,-7.981 5.131,-7.138 -5.088,-7.138
  L1_TOP keep-out region: -4.2,-4.2 4.3,-4.2 4.3,4.2 -4.2,4.2
  silkscreen extent -6.18,-11.68 6.52,5.41, body extent -5.69,-11.43 5.71,5.39, height 8.35
QFN40P170X200X50-12N [mm]
  rect 0.5x0.2 smd: 1(-0.6,0.8) 2(-0.6,0.4) 3(-0.6,0) 4(-0.6,-0.4) 5(-0.6,-0.8) 7(0.6,-0.8) 8(0.6,-0.4) 9(0.6,0) 10(0.6,0.4) 11(0.6,0.8)
  rect 0.2x0.5 smd: 6(0,-0.75) 12(0,0.75)
  silkscreen extent -1.42,-1.27 1.22,1.32, body extent -0.84,-1 0.86,1, height 0.48
RE1C002UNTCL [mm] "ROHM SOT-416FL"
  rect 0.3x0.71 smd: 1(-0.5,-0.61) 2(0.5,-0.61) 3(0,0.61)
  silkscreen extent -0.85,0.17 0.85,0.48, body extent -0.95,-1.06 0.95,1.06, height 0.25
RESC0402(1005)_L [mm] "Chip Resistor, Body 1.0x0.5mm, IPC High Density"
  rect 0.45x0.55 smd: 1(-0.45,0) 2(0.45,0)
  body extent -0.52,-0.27 0.53,0.28, height 0.4
RESC0402(1005)_N [mm] "Chip Resistor, Body 1.0x0.5mm, IPC Medium Density"
  rect 0.55x0.65 smd: 1(-0.5,0) 2(0.5,0)
  body extent -0.52,-0.27 0.53,0.28, height 0.4
RESC0603(1608)_N [mm] "Chip Resistor, Body 1.6x0.8mm, IPC Medium Density"
  rect 0.9x1 smd: 1(-0.8,0) 2(0.8,0)
  silkscreen extent -0.05,-0.4 0.05,0.4, body extent -0.85,-0.47 0.85,0.47, height 0.6
RESC1005X40X25ML05T05 [mm] "Chip Resistor, 2-Leads, Body 1.05x0.55mm, IPC Low Density"
  rect 0.65x0.65 smd: 1(-0.5,0) 2(0.5,0)
  body extent -0.53,-0.28 0.53,0.28, height 0.4
RESC1005X40X25NL05T10 [mm] "Chip Resistor, 2-Leads, Body 1.00x0.50mm, IPC Medium Density"
  rect 0.6x0.55 smd: 1(-0.425,0) 2(0.425,0)
  body extent -0.53,-0.27 0.53,0.28, height 0.4